# Altium PCB Controller.PcbDoc
Units mil, origin at the board's own origin, x right, y up, seen from the top; angles counter-clockwise.
Board outline 6000 x 4000 mil, 2 copper layers (Top Layer, Bottom Layer); 99 components, 127 nets, 564 pads, 2 vias.
Unrouted connection lines stored in the file: 295.
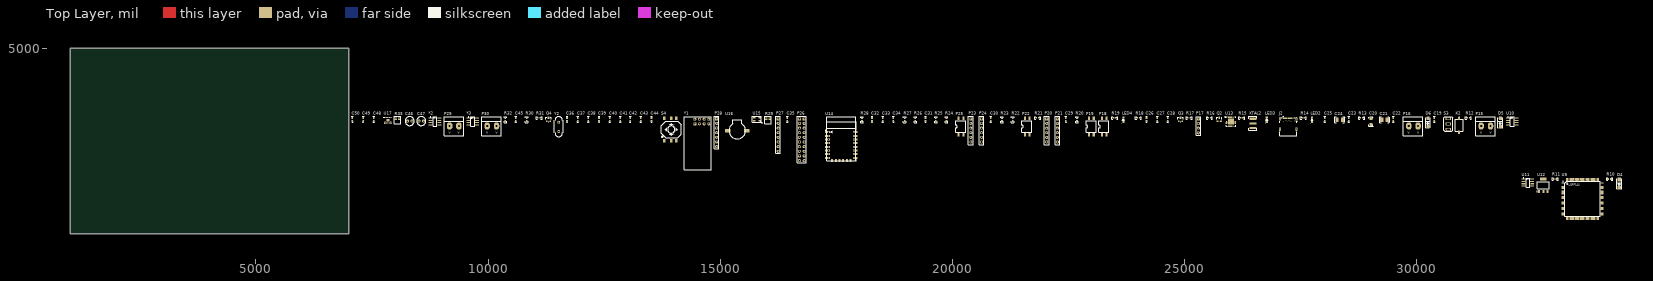
[diagram p0: Top Layer view]
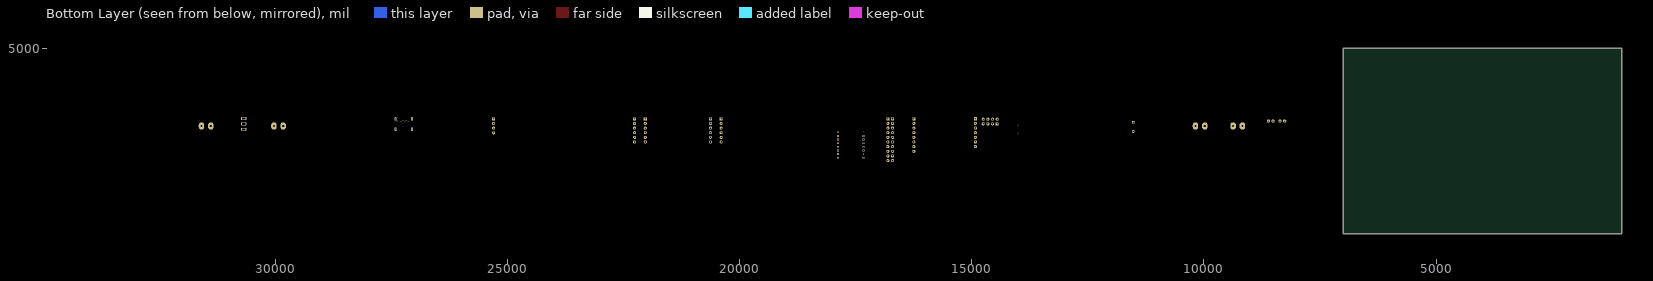
[diagram p1: Bottom Layer view, seen from below]

## Layer stack, top to bottom
Top Solder: solder mask 0.4, Solder Resist, Dk 3.5
Top Layer: signal copper 1.4
Dielectric 1: dielectric 12.6, FR-4, Dk 4.8
Bottom Layer: signal copper 1.4
Bottom Solder: solder mask 0.4, Solder Resist, Dk 3.5

## Board outline
1000,1000 7000,1000 7000,5000 1000,5000

## Design rules (kind name [scope] priority, off if disabled: settings)
Clearance [All] p1: gap=10
PolygonConnect [All] p1: connectstyle=Relief reliefconductorwidth=10 reliefentries=4 polygonreliefangle="90 Angle" airgapwidth=10
RoomDefinition STM32_Controller_V2.0_ZET6 [InComponentClass('STM32_Controller_V2.0_ZET6')] p1: confinementstyle=ConfineIn formatcopy=TRUE lockcomponents=FALSE outline 7045,1285 34430,1285 34430,3640 7045,3640
RoutingVias [All] p1: holewidth=28 width=50 viastyle="Through Hole" minholewidth=28 minwidth=50 maxholewidth=28 maxwidth=50
SolderMaskExpansion [All] p1: expansion=4
Width [All] p1: maxlimit=10 minlimit=10 preferedwidth=10
30 further rules are at their usual default settings.

## Components (designator, comment, footprint, x,y, rotation, side; value= is the part's Value field where it differs from the comment)
*1 "NRF24L10" NRF24L10 14600,3415 r90 top
*2 "YX-2530AM" SOP-8 8760,3495 r0 top
*3 "YX-2530AM" SOP-8 9575,3495 r0 top
C19 "10uF" 0603C 30090,3535 r90 top
C20 "10uF" TAJ-A 29010,3480 r90 top
C21 "10uF" TAJ-B 29245,3460 r0 top
C22 "104" 0603C 29210,3535 r90 top
C23 "104" 0603C 28250,3535 r90 top
C24 "10uF" TAJ-B 28280,3460 r0 top
C25 "104" 0603C 27735,3535 r90 top
C26 "226" 0603C 23895,3535 r90 top
C27 "104" 0603C 24125,3535 r90 top
C28 "104" 0603C 24355,3535 r90 top
C29 "104" 0603C 22160,3535 r90 top
C30 "104" 0603C 20540,3535 r90 top
C31 "104" 0603C 19135,3535 r90 top
C32 "104" 0603C 17985,3535 r90 top
C33 "106" 0603C 18215,3535 r90 top
C34 "104" 0603C 18445,3535 r90 top
C35 "10uF" 0603C 16160,3535 r90 top
C36 "104" 0603C 11415,3535 r90 top
C37 "104" 0603C 11645,3535 r90 top
C38 "104" 0603C 11875,3535 r90 top
C39 "104" 0603C 12105,3535 r90 top
C40 "104" 0603C 12335,3535 r90 top
C41 "104" 0603C 12565,3535 r90 top
C42 "104" 0603C 12775,3535 r90 top
C43 "104" 0603C 13005,3535 r90 top
C44 "104" 0603C 13235,3535 r90 top
C45 "10uF" 0603C 10310,3535 r90 top
C46 "10uf" RAD-0.1 8260,3430 r0 top
C47 "10uf" RAD-0.1 8510,3430 r0 top
C48 "103" 0603C 7255,3535 r90 top
C49 "104" 0603C 7025,3535 r90 top
C50 "104" 0603C 6795,3535 r90 top
D4 "D" SMA/DO-214AC 34360,2000 r90 top
D5 "D" SMA/DO-214AC 31800,3315 r90 top
D6 "D" SMA/DO-214AC 30240,3315 r90 top
J2 "Type_C-24P-UJ31-CH-G2-SMT-TR" Type_C-UJ31-CH-G2-SMT-TR(Primary) 27120,3490 r0 top
K2 "Key" 贴片按键 30910,3195 r90 top
LED2 "LED" 0805LED(RED) 27735,3410 r90 top
LED3 "LED" 0805LED(RED) 26760,3410 r90 top
LED4 "LED" 0805LED(RED) 23675,3410 r90 top
P15 "2PIN" KF128-2P 31380,3325 r0 top
P16 "2PIN" KF128-2P 29820,3325 r0 top
P17 "Header 4" "Header 4" 25295,3480 r0 top
P18 "拨码开关2" 拨码开关2-SOP 23215,3140 r90 top
P19 "拨码开关2" 拨码开关2-SOP 22940,3140 r90 top
P20 "Header 6" "Header 6" 22030,3480 r0 top
P21 "Header 6" "Header 6" 22260,3480 r0 top
P22 "拨码开关2" 拨码开关2-SOP 21555,3140 r90 top
P23 "Header 6" "Header 6" 20395,3480 r0 top
P24 "Header 6" "Header 6" 20625,3480 r0 top
P25 "拨码开关2" 拨码开关2-SOP 20130,3140 r90 top
P26 "OV7725" "Header 10X2" 16705,3480 r0 top
P27 "Header 8" "Header 8" 16245,3180 r0 top
P28 "Header 7" "Header 7" 14920,3180 r0 top
P29 "2PIN" KF128-2P 9165,3325 r0 top
P30 "2PIN" KF128-2P 9975,3325 r0 top
Q2 "NPN" SOT-23 25710,3430 r0 top
Q3 "NPN" SOT-23 24875,3430 r0 top
Q4 "NPN" SOT-23 11265,3430 r0 top
R10 "0r" 0603R 34120,2185 r0 top
R11 "1K" 0603R 32950,2185 r0 top
R12 "0r" 0603R 31080,3500 r0 top
R13 "0r" 0603R 28780,3500 r0 top
R14 "1K" 0603R 27525,3500 r0 top
R15 "1K" 0603R 26200,3500 r0 top
R16 "12K" 0603R 25505,3500 r0 top
R17 "1K" 0603R 25065,3500 r0 top
R18 "12K" 0603R 23975,3500 r0 top
R19 "1K" 0603R 23465,3500 r0 top
R20 "1K" 0603R 22680,3435 r90 top
R21 "10K" 0603R 21805,3500 r0 top
R22 "10K" 0603R 21295,3435 r90 top
R23 "10K" 0603R 21065,3435 r90 top
R24 "10K" 0603R 19870,3435 r90 top
R25 "1K" 0603R 19640,3435 r90 top
R26 "10r" 0603R 19200,3435 r90 top
R27 "10K" 0603R 18970,3435 r90 top
R28 "0r" 0603R 18050,3435 r90 top
R29 "1k" 排阻(4位贴片) 15990,3500 r0 top
R30 "1M" 0603R 10830,3435 r90 top
R31 "100K" 0603R 11070,3500 r0 top
R32 "1K" 0603R 10370,3435 r90 top
R33 "Res-4" 排阻(4位贴片) 8010,3500 r0 top
S3 "钮子开关" 钮子开关(小) 30675,3250 r90 top
S4 "按键" 5轴按键 13945,3250 r90 top
U9 "STM32F407ZET6" LQFP-144 33230,2095 r0 top
U10 "TPS7350" SOP-8 31960,3495 r0 top
U11 "TPS7333" SOP-8 32295,2180 r0 top
U12 "AMS1117_3.3" SOT-223 32635,1915 r0 top
U13 "CP2102" QFN-28 25920,3495 r0 top
U14 "ESP-12" SMD-22 17625,3030 r0 top
U15 "RGB" RGB-3528 15730,3500 r0 top
U16 "Buzzer" MLT-9032 15365,3225 r0 top
U17 "MPU9250" QFN-24 7845,3450 r0 top
XTAL2 "8M" 三脚贴片8M晶振 26465,3480 r0 top
Y2 "XTAL" HC-49S 11520,3205 r90 top

## Footprints (in the part's own frame and the unit in brackets; to place one, negate y for a bottom-side part, rotate by r counter-clockwise, add the part's x,y. Pads: shape width x height; smd on the part's side, far side on the other; paste and mask are expansions set on the pad)
5轴按键 [mm]
  rect 2x1.3 smd: 1(-6.128,3.778) 2(-6.128,0.078) 3(-6.128,-2.722) 4(6.072,3.778) 5(6.072,0.078) 6(6.072,-2.722)
  silkscreen extent -4.53,-5.42 4.47,5.58
0603C [mil]
  rect 40x35 smd: 1(-97,-282) 2(-37,-282)
  silkscreen extent -126,-302 -6,-262, body extent -117,-299 -14,-260, height 35
0603R [mil]
  rect 40x35 smd: 1(-2,-1) 2(58,-1)
  silkscreen extent -35,-30 92,28, body extent -5,-17 61,15, height 22
0805LED(RED) [mil]
  rect 40x50 smd: 1(-2.98,-4.95) 2(97.02,-4.95)
  silkscreen extent -37,-25 70,31, body extent 13,-25 80,11, height 35
HC-49S [mil]
  round 62 hole 28: 1(0,0) 2(200,0)
  silkscreen extent -110,-100 320,100, body extent -114,-102 326,82, height 143
"Header 4" [mil]
  rect 65x65 hole 34: 1(0.95,-0.93)
  round 65 hole 34: 2(0.95,-100.93) 3(0.95,-200.93) 4(0.95,-300.93)
  silkscreen extent -49,-351 51,49, body extent -51,-354 49,46, height 336
"Header 6" [mil]
  rect 65x65 hole 34: 1(-1.02,0.06)
  round 65 hole 34: 2(-1.02,-99.94) 3(-1.02,-199.94) 4(-1.02,-299.94) 5(-1.02,-399.75) 6(-1.02,-499.75)
  silkscreen extent -51,-555 49,50, body extent -50,-554 50,46, height 336
"Header 7" [mil]
  rect 65x65 hole 34: 1(0,301)
  round 65 hole 34: 2(0,201) 3(0,101) 4(0,1) 5(0,-98.8) 6(0,-198.8)
  round 65 hole 34 paste+0: 7(0,-298.61)
  silkscreen extent -50,-347 50,351, body extent -50,-349 50,351, height 336
"Header 8" [mil]
  rect 65x65 hole 34: 1(0,300)
  round 65 hole 34: 2(0,200) 3(0,100) 4(0,0) 5(0,-99.8) 6(0,-199.8) 8(0,-399.61)
  round 65 hole 34 paste+0: 7(0,-299.61)
  silkscreen extent -50,-445 50,350, body extent -49,-451 51,349, height 336
"Header 10X2" [mil]
  rect 65x65 hole 34: 1(-0.98,-0.2) 20(99.41,-0.2)
  round 65 hole 34: 2(-0.98,-100.2) 3(-0.98,-200.2) 4(-0.98,-300.2) 5(-0.98,-400) 6(-0.98,-500) 8(-0.98,-699.8) 10(-0.98,-900.2) 11(99.41,-900.2) 13(99.41,-699.8) 15(99.41,-500) 16(99.41,-400) 17(99.41,-300.2) 18(99.41,-200.2) 19(99.41,-100.2)
  round 65 hole 34 paste+0: 7(-0.98,-599.8) 9(-0.98,-800.2) 12(99.41,-800.2) 14(99.41,-599.8)
  silkscreen extent -51,-952 149,50, body extent -13,-948 493,52, height 201
KF128-2P [mm]
  oval 3x4 hole 1.2: 1(0.134,0.024) 2(5.214,0.024)
  silkscreen extent -2.91,-5.28 7.75,5.1, body extent -2.91,-5.35 7.75,5.15, height 14.15
LQFP-144 [mm]
  rect 1.651x0.3 smd: 1(-2.199,0.11)
  oval 1.651x0.3 smd: 2(-2.199,-0.39) 3(-2.199,-0.89) 4(-2.199,-1.39) 5(-2.199,-1.89) 6(-2.199,-2.39) 7(-2.199,-2.89) 8(-2.199,-3.39) 9(-2.199,-3.89) 10(-2.199,-4.39) 11(-2.199,-4.89) 12(-2.199,-5.39) 13(-2.199,-5.89) 14(-2.199,-6.39) 15(-2.199,-6.89) 16(-2.199,-7.39) 17(-2.199,-7.89) 18(-2.199,-8.39) 19(-2.199,-8.89) 20(-2.199,-9.39) 21(-2.199,-9.89) 22(-2.199,-10.39) 23(-2.199,-10.89) 24(-2.199,-11.39) 25(-2.199,-11.89) 26(-2.199,-12.39) 27(-2.199,-12.89) 28(-2.199,-13.39) 29(-2.199,-13.89) 30(-2.199,-14.39) 31(-2.199,-14.89) 32(-2.199,-15.39) 33(-2.199,-15.89) 34(-2.199,-16.39) 35(-2.199,-16.89) 36(-2.199,-17.39) 73(19.251,-17.39) 74(19.251,-16.89) 75(19.251,-16.39) 76(19.251,-15.89) 77(19.251,-15.39) 78(19.251,-14.89) 79(19.251,-14.39) 80(19.251,-13.89) 81(19.251,-13.39) 82(19.251,-12.89) 83(19.251,-12.39) 84(19.251,-11.89) 85(19.251,-11.39) 86(19.251,-10.89) 87(19.251,-10.39) 88(19.251,-9.89) 89(19.251,-9.39) 90(19.251,-8.89) 91(19.251,-8.39) 92(19.251,-7.89) 93(19.251,-7.39) 94(19.251,-6.89) 95(19.251,-6.39) 96(19.251,-5.89) 97(19.251,-5.39) 98(19.251,-4.89) 99(19.251,-4.39) 100(19.251,-3.89) 101(19.251,-3.39) 102(19.251,-2.89) 103(19.251,-2.39) 104(19.251,-1.89) 105(19.251,-1.39) 106(19.251,-0.89) 107(19.251,-0.39) 108(19.251,0.11)
  oval 0.3x1.651 smd: 37(-0.224,-19.365) 38(0.276,-19.365) 39(0.776,-19.365) 40(1.276,-19.365) 41(1.776,-19.365) 42(2.276,-19.365) 43(2.776,-19.365) 44(3.276,-19.365) 45(3.776,-19.365) 46(4.276,-19.365) 47(4.776,-19.365) 48(5.276,-19.365) 49(5.776,-19.365) 50(6.276,-19.365) 51(6.776,-19.365) 52(7.276,-19.365) 53(7.776,-19.365) 54(8.276,-19.365) 55(8.776,-19.365) 56(9.276,-19.365) 57(9.776,-19.365) 58(10.276,-19.365) 59(10.776,-19.365) 60(11.276,-19.365) 61(11.776,-19.365) 62(12.276,-19.365) 63(12.776,-19.365) 64(13.276,-19.365) 65(13.776,-19.365) 66(14.276,-19.365) 67(14.776,-19.365) 68(15.276,-19.365) 69(15.776,-19.365) 70(16.276,-19.365) 71(16.776,-19.365) 72(17.276,-19.365) 109(17.276,2.085) 110(16.776,2.085) 111(16.276,2.085) 112(15.776,2.085) 113(15.276,2.085) 114(14.776,2.085) 115(14.276,2.085) 116(13.776,2.085) 117(13.276,2.085) 118(12.776,2.085) 119(12.276,2.085) 120(11.776,2.085) 121(11.276,2.085) 122(10.776,2.085) 123(10.276,2.085) 124(9.776,2.085) 125(9.276,2.085) 126(8.776,2.085) 127(8.276,2.085) 128(7.776,2.085) 129(7.276,2.085) 130(6.776,2.085) 131(6.276,2.085) 132(5.776,2.085) 133(5.276,2.085) 134(4.776,2.085) 135(4.276,2.085) 136(3.776,2.085) 137(3.276,2.085) 138(2.776,2.085) 139(2.276,2.085) 140(1.776,2.085) 141(1.276,2.085) 142(0.776,2.085) 143(0.276,2.085) 144(-0.224,2.085)
  silkscreen extent -2.32,-18.24 18.13,0.96, body extent -2.47,-19.64 19.53,2.36, height 1.6
MLT-9032 [mm]
  rect 2.8x2 smd: 1(-5.2,0) 2(5.2,0)
  silkscreen extent -4.5,-4.5 4.5,6, body extent -6.83,-5.94 6.86,7.75, height 7.59
NRF24L10 [mil]
  rect 65x65 hole 34: 1(-44,149)
  round 65 hole 34: 2(-44,49) 3(-44,-51) 4(-44,-151) 5(56,-151) 6(56,-51) 7(56,49) 8(56,149)
  silkscreen extent -1028,-209 114,382, body extent -1028,-209 114,382, height 138
QFN-24 [mm]
  oval 0.7x0.2 smd: 1(-1.525,0.975) 2(-1.525,0.575) 3(-1.525,0.175) 4(-1.525,-0.225) 5(-1.525,-0.625) 6(-1.525,-1.025) 13(1.475,-1.025) 14(1.475,-0.625) 15(1.475,-0.225) 16(1.475,0.175) 17(1.475,0.575) 18(1.475,0.975)
  oval 0.2x0.7 smd: 7(-1.025,-1.525) 8(-0.625,-1.525) 9(-0.225,-1.525) 10(0.175,-1.525) 11(0.575,-1.525) 12(0.975,-1.525) 19(0.975,1.475) 20(0.575,1.475) 21(0.175,1.475) 22(-0.225,1.475) 23(-0.625,1.475) 24(-1.025,1.475)
  rect 1.7x1.54 smd: 25(-0.025,-0.025)
  silkscreen extent -2.5,-1.73 1.67,1.67, body extent -1.6,-1.6 1.54,1.54, height 1
QFN-28 [mm] "CP2102  USB转串口芯片"
  rect 3.13x3.13 smd mask+0.051: 0(1.909,-1.918)
  oval 0.85x0.28 smd mask+0.051: 1(-0.516,-0.418) 2(-0.516,-0.918) 3(-0.516,-1.418) 4(-0.516,-1.918) 5(-0.516,-2.418) 6(-0.516,-2.918) 7(-0.516,-3.418) 15(4.334,-3.418) 16(4.334,-2.918) 17(4.334,-2.418) 18(4.334,-1.918) 19(4.334,-1.418) 20(4.334,-0.918) 21(4.334,-0.418)
  oval 0.28x0.85 smd mask+0.051: 8(0.409,-4.343) 9(0.909,-4.343) 10(1.409,-4.343) 11(1.909,-4.343) 12(2.409,-4.343) 13(2.909,-4.343) 14(3.409,-4.343) 22(3.409,0.507) 23(2.909,0.507) 24(2.409,0.507) 25(1.909,0.507) 26(1.409,0.507) 27(0.909,0.507) 28(0.409,0.507)
  silkscreen extent -1.39,-4.57 4.56,0.73, body extent -0.58,-4.42 4.42,0.58, height 1
RAD-0.1 [mil]
  round 70 hole 30: 1(0,0) 2(100,0)
  silkscreen extent -47,-97 147,97
RGB-3528 [mm]
  rect 1.2x1 smd: 1(-0.029,0.03) 2(-0.029,-1.57) 3(2.971,0.03) 4(2.971,-1.57)
  silkscreen extent -1.01,-2.87 4.42,0.76, body extent -0.32,-2.2 3.18,0.6, height 1.9
SMA/DO-214AC [mm]
  rect 2x1.75 smd: 1(-0.178,0.025) 2(4.422,0.025)
  silkscreen extent -0.58,-1.32 4.82,1.38, body extent -0.38,-1.32 4.73,1.35, height 2.12
SMD-22 [mm]
  rect 2.6x1.1 smd: 1(-8.103,4.089) 2(-8.103,2.089) 3(-8.103,0.089) 4(-8.103,-1.911) 5(-8.103,-3.911) 6(-8.103,-5.911) 7(-8.103,-7.911) 8(-8.103,-9.911) 15(7.097,-9.911) 16(7.097,-7.911) 17(7.097,-5.911) 18(7.097,-3.911) 19(7.097,-1.911) 20(7.097,0.089) 21(7.097,2.089) 22(7.097,4.089)
  rect 0.762x1 hole 0.6: 1(-7.503,4.089) 7(-7.503,-7.911)
  rect 0.762x1 / inner rect 0.762x1 / far side rect 1x1 hole 0.6: 2(-7.503,2.089) 3(-7.503,0.089) 4(-7.503,-1.911) 5(-7.503,-3.911) 6(-7.503,-5.911) 8(-7.503,-9.911) 15(6.497,-9.911) 16(6.497,-7.911) 17(6.497,-5.911) 18(6.497,-3.911) 19(6.497,-1.911) 20(6.497,0.089) 21(6.497,2.089) 22(6.497,4.089)
  rect 1.1x1.8 smd: 9(-5.503,-11.411) 10(-3.503,-11.411) 11(-1.503,-11.411) 12(0.497,-11.411) 13(2.497,-11.411) 14(4.497,-11.411)
  silkscreen extent -9.21,-11.43 7.57,12.59, body extent -8.51,-11.35 7.49,12.65, height 2.75
SOP-8 [mm]
  oval 2.2x0.6 smd: 1(-0.038,0.025) 2(-0.038,-1.245) 3(-0.038,-2.515) 4(-0.038,-3.785) 5(4.762,-3.785) 6(4.762,-2.515) 7(4.762,-1.245) 8(4.762,0.025)
  silkscreen extent -0.12,-4.38 3.37,0.82, body extent -0.62,-4.33 5.38,0.58, height 1.7
SOT-23 [mil]
  rect 36x36 smd: 1(-2.52,-5.16) 2(72.48,-5.16)
  rect 36x50 smd: 3(35.48,74.84)
  silkscreen extent -23,-10 92,80, body extent -22,-18 92,92, height 47
SOT-223 [mm]
  rect 1.1x1.55 smd: 1(-0.09,0.029) 2(2.21,0.029) 3(4.51,0.029)
  rect 3.45x1.55 smd: 4(2.21,6.779)
  silkscreen extent -1.29,-0.07 5.56,5.25, body extent -1.09,-0.53 5.51,6.83, height 0.8
TAJ-A [mil]
  rect 60x60 smd: 1(0,0) 2(-120,0)
  silkscreen extent -165,-45 49,45, body extent -125,-31 9,32, height 65
TAJ-B [mm]
  rect 1.8x2.5 smd: 1(3,0) 2(0,0)
  silkscreen extent -1.27,-1.68 4.34,1.65, body extent -0.27,-1.4 3.22,1.4, height 1.9
Type_C-UJ31-CH-G2-SMT-TR(Primary) [mm]
  rect 0.35x0.7 smd: A1(0,0) A2(0.5,0) A3(1,0) A4(1.5,0) A5(2,0) A6(2.5,0) A7(3,0) A8(3.5,0) A9(4,0) A10(4.5,0) A11(5,0) A12(5.5,0)
  round 0.65 hole 0.4: B1(5.8,-1.11) B2(5.15,-1.81) B3(4.35,-1.81) B4(3.95,-1.11) B5(3.55,-1.81) B6(3.15,-1.11) B7(2.35,-1.11) B8(1.95,-1.81) B9(1.55,-1.11) B10(1.15,-1.81) B11(0.35,-1.81) B12(-0.3,-1.11)
  round 0.65 hole 0.65 unplated: None(-0.975,-1.81) None(6.475,-1.81)
  oval 1x2 hole 0.5: SH1(-1.75,-0.31) SH2(7.25,-0.31) SH3(-1.75,-5.91) SH4(7.25,-5.91)
  silkscreen extent -2.07,-9.56 7.57,1.04, body extent -2.06,-9.61 7.65,0.39, height 4.5
三脚贴片8M晶振 [mm] "CSTCC8M00G53-RO"
  rect 3.8x1.27 smd: 1(0.06,-0.006) 2(0.06,-5.086) 3(0.06,-2.546)
  silkscreen extent -2.1,-6.18 2.24,1.26, body extent -1.72,-6.23 1.84,1.26, height 1.5
拨码开关2-SOP [mm]
  rect 2x1.1 smd: 1(-0.153,-0.029) 2(-0.153,-2.569) 3(8.847,-2.569) 4(8.847,-0.029)
  silkscreen extent 1.19,-3.93 7.54,1.55, body extent 0.51,-3.76 8.13,1.32, height 4.3
排阻(4位贴片) [mm]
  rect 1.22x0.45 smd: 1(-0.051,0.013) 2(1.869,0.013) 3(-0.051,-0.787) 4(1.869,-0.787) 5(-0.051,-1.587) 6(1.869,-1.587) 7(-0.051,-2.387) 8(1.869,-2.387)
  silkscreen extent -0.81,-3.14 2.64,0.76, body extent 0.1,-2.79 1.7,0.41, height 0.59
贴片按键 [mil]
  oval 80x40 smd: 1(-5.71,2.8) 2(294.29,2.8)
  silkscreen extent 14,-76 274,82, body extent 24,-69 264,77, height 98
钮子开关(小) [mm]
  rrect50% 1.5x3 hole 1 slot 1.8 at 90 deg: 1(0,0) 2(3,0) 3(6,0)
  silkscreen extent -1.06,-2.5 7.06,2.5

## Part data
*1: "NRF24L10模块"
C19 C22 C23 C25 C26 C27 C28 C29 C30 C31 C32 C33 C34 C35 C36 C37 C38 C39 C40 C41 C42 C43 C44 C45 C48 C49 C50: library part Cap1, "无极贴片电容"
C20 C21 C24: library part "Pol Cap", "极性贴片电容"
C46 C47: library part Cap2, "无极直插电容"
D4 D5 D6: library part Diode, "二极管"
J2: "UJ31 Series Single Port 24 Contact Horizontal SMT Shielded USB-C 3.1 Receptacle"
K2: library part 轻触按键, "轻触开关"
LED2 LED3 LED4: "发光二极管"
P15 P16 P29 P30: library part 接线端子-2PIN
P17 P20 P21 P23 P24 P27 P28: "排针"
P18 P19 P22 P25: "2位拨码开关"
P26: library part "Header 10X2"
Q2 Q3 Q4: "NPN三极管"
R10 R11 R12 R13 R14 R15 R16 R17 R18 R19 R20 R21 R22 R23 R24 R25 R26 R27 R28 R30 R31 R32: library part Res, "电阻"
R29: library part Res-4, "排阻"
R33: "排阻"
S3: "大功率开关"
S4: library part 5轴按键, "5轴按键"
U9: "STM32单片机144引脚"
U10: "5V电源芯片"
U11: "3.3V电源芯片"
U12: library part AMS1117-3.3V/5.0V, "电源芯片"
U13: "USB转串口芯片"
U16: "蜂鸣器"
XTAL2: library part XTAL三脚贴片晶振
Y2: "两脚直插晶振"

## Via types
v1: diameter 35.43, hole 35.43, Top Layer to Bottom Layer, 2 vias

## Nets (pads, with @x,y where several pads share a name; then routed paths per layer and width w, separated by ;. In a path a pad name is that pad's centre, name@x,y a point inside that pad or via, vN(x,y) a via of type N, cw(c..) or ccw(c..) an arc to the next point about the centre after c; other vN are vias at no path point)
3.3V: *1.4 C21.1 C22.2 C29.2 C36.2 C37.2 C38.2 C39.2 C40.2 C41.2 C42.2 C43.2 C44.2 C48.2 C49.2 P17.4 P22.4 P26.1 P27.1 P28.2 R11.2 R14.1 R15.1 R24.2 R26.2 R28.2 R33.2 R33.4 U9.17 U9.30 U9.39 U9.52 U9.62 U9.72 U9.84 U9.95 U9.108 U9.121 U9.131 U9.144 U11.5 U11.6 U11.7 U12.2 U12.4 U15.2 U16.1 U17.1 U17.8 U17.13 U17.22
5V: *2.4 *3.4 C24.1 C25.2 C26.2 C27.2 C46.1 C47.1 P20.2 P21.1 P23.2 P24.1 R19.1 R30.1 U10.5 U10.6 U10.7 U11.3 U11.4 U12.3 U13.7 U13.8
AD0: R33.7 U17.9
ADC3_IN8: R30.2 R31.1 U9.22
BEEP: R29.7 U9.57
BOOT0: P25.2 Q3.3 R25.1 U9.138
BOOT1: P19.2 R20.1 U9.48
CP_RX: P18.4 U13.25
CP_TX: P18.3 U13.26
DCMI_D0: P26.13 U9.96
DCMI_D1: P26.8 U9.97
DCMI_D2: P26.14 U9.141
DCMI_D3: P26.7 U9.142
DCMI_D4: P26.15 U9.3
DCMI_D5: P26.6 U9.136
DCMI_D6: P26.16 U9.4
DCMI_D7: P26.5 U9.5
DCMI_HREF: P26.18 U9.40
DCMI_PCLK: P26.4 U9.42
DCMI_PWDN: P26.12 U9.98
DCMI_RESET: P26.9 U9.1
DCMI_VSYNC: P26.3 U9.137
DCMI_XCLK: P26.17 U9.2
DTR: Q3.2 R16.2 U13.28
FSYNC: R33.5 U17.11
GND: *1.5 *2.3 *3.3 C19.2 C20.2 C21.2 C22.1 C23.1 C24.2 C25.1 C26.1 C27.1 C28.1 C30.2 C31.2 C32.2 C33.2 C34.1 C35.2 C36.1 C37.1 C38.1 C39.1 C40.1 C41.1 C42.1 C43.1 C44.1 C45.2 C46.2 C47.2 C48.1 C49.1 C50.1 K2.2 LED4.2 P17.1 P19.3 P20.3 P21.4 P21.6 P22.3 P23.3 P24.4 P24.6 P25.3 P26.20 P27.2 P27.7 P27.8 P28.1 P28.7 Q4.2 R27.2 R31.2 R32.1 R33.6 R33.8 S4.6 U9.16 U9.31 U9.38 U9.51 U9.61 U9.83 U9.94 U9.107 U9.120 U9.130 U10.1 U10.2 U11.1 U11.2 U12.1 U13.0 U13.3 U14.15 U17.18 U17.20 XTAL2.3
IIC_SCL: R33.3 U9.139 U17.23
IIC_SDA: R33.1 U9.140 U17.24
IMU_SCL: P27.3
IMU_SDA: P27.4
KEY0: S4.1 U9.87
KEY1: S4.2 U9.88
KEY2: S4.3 U9.89
KEY3: S4.4 U9.90
KEY4: S4.5 U9.91
LED_B: R29.5 U9.53
LED_G: R29.3 U9.54
LED_R: R29.1 U9.55
Net*2_5: *2.5 *2.6 P29.1
Net*2_7: *2.7 *2.8 P29.2
Net*3_5: *3.5 *3.6 P30.1
Net*3_7: *3.7 *3.8 P30.2
NetC20_1: C20.1 S3.3 U10.3
NetC23_2: C23.2 U10.4
NetC28_2: C28.2 R17.2 U13.6
NetC29_1: C29.1 U9.6
NetC30_1: C30.1 U9.71
NetC31_1: C31.1 U9.106
NetC32_1: C32.1 C33.1 R26.1 U9.32 U9.33
NetC34_2: C34.2 R21.1 R22.1 U14.8
NetC50_2: C50.2 U17.10
NetD4_1: D4.1 R10.2
NetD4_2: D4.2 D5.2 D6.2 S3.2
NetD5_1: D5.1 R12.2
NetD6_1: D6.1 R13.2
NetLED2_1: LED2.1 R14.2
NetLED3_1: LED3.1 R15.2
NetLED4_1: LED4.1 R17.1
NetP15_1: P15.1 R12.1
NetP16_1: P16.1 R13.1
NetP19_1: P19.1 R20.2
NetP22_1: P22.1 P22.2 R23.2
NetP25_1: P25.1 R25.2
NetQ2_1: Q2.1 R16.1
NetQ3_1: Q3.1 R18.1
NetQ4_1: Q4.1 R29.8 R32.2
NetQ4_3: Q4.3 U16.2
NetR19_2: R19.2 U13.9
NetR21_2: R21.2 U14.1
NetR22_2: R22.2 U14.3
NetR23_1: R23.1 U14.18
NetR24_1: R24.1 U14.17
NetR27_1: R27.1 U14.16
NetR28_1: R28.1 U9.143
NetR29_2: R29.2 U15.4
NetR29_4: R29.4 U15.3
NetR29_6: R29.6 U15.1
NRF_CE: *1.6 U9.114
NRF_CSN: *1.3 U9.7
NRF_IRQ: *1.1 U9.99
NRST: C19.1 K2.1 Q2.3 R11.1 U9.25
OLED_D0: P28.3
OLED_D1: P28.4
OLED_DC: P28.6
OLED_RES: P28.5
OSC32_IN: C45.1 Y2.1
OSC32_OUT: C35.1 U9.23 Y2.2
OSC_IN: U9.8 XTAL2.1
OSC_OUT: U9.9 XTAL2.2
POWER_GND: J2.A1 J2.A12 J2.B1 J2.B12 J2.SH1 J2.SH2 J2.SH3 J2.SH4 P15.2 P16.2
RTS: Q2.2 R18.2 U13.24
SIO_C: P26.2 U9.11
SIO_D: P26.19 U9.10
SPI2_MISO: U9.75
SPI2_MOSI: U9.76
SPI2_SCK: U9.74
SPI3_CLK: U9.111
SPI3_MISO: *1.8 U9.112
SPI3_MOSI: *1.2 U9.113
SPI3_SCK: *1.7
SWCLK: P17.2 U9.109
SWDIO: P17.3 U9.105
TIM1_BKIN: U9.68
TIM1_CH1: U9.60
TIM1_CH1N: U9.59
TIM1_CH2: U9.64
TIM1_CH2N: U9.63
TIM1_CH3: U9.66
TIM1_CH3N: U9.65
TIM1_CH4: U9.67
TIM4_CH1: *2.1 U9.81
TIM4_CH2: *2.2 U9.82
TIM4_CH3: *3.1 U9.85
TIM4_CH4: *3.2 U9.86
TYPE-C_DM: J2.A7 J2.B6 U13.4
TYPE-C_DP: J2.A6 J2.B7 U13.5
TYPE-C_VUSB: J2.A4 J2.B4 R10.1
U3_RX: LED3.2
U3_TX: LED2.2
USART1_RX: P20.4 P21.2 U9.102
USART1_TX: P20.5 P21.3 U9.101
USART2_RX: U9.122 U14.22
USART2_TX: U9.119
USART3_RX: P18.2 P23.4 P24.2 U9.78
USART3_TX: P18.1 P23.5 P24.3 U9.77
VCC: P19.4 P25.4
WKUP_KEY: U9.34
pads on no net: J2.A2 J2.A3 J2.A5 J2.A8 J2.A9 J2.A10 J2.A11 J2.B2 J2.B3 J2.B5 J2.B8 J2.B9 J2.B10 J2.B11 J2.None P20.1 P20.6 P21.5 P23.1 P23.6 P24.5 P26.10 P26.11 P27.5 P27.6 S3.1 U9.12 U9.13 U9.14 U9.15 U9.18 U9.19 U9.20 U9.21 U9.24 U9.26 U9.27 U9.28 U9.29 U9.35 U9.36 U9.37 U9.41 U9.43 U9.44 U9.45 U9.46 U9.47 U9.49 U9.50 U9.56 U9.58 U9.69 U9.70 U9.73 U9.79 U9.80 U9.92 U9.93 U9.100 U9.103 U9.104 U9.110 U9.115 U9.116 U9.117 U9.118 U9.123 U9.124 U9.125 U9.126 U9.127 U9.128 U9.129 U9.132 U9.133 U9.134 U9.135 U10.8 U11.8 U13.1 U13.2 U13.10 U13.11 U13.12 U13.13 U13.14 U13.15 U13.16 U13.17 U13.18 U13.19 U13.20 U13.21 U13.22 U13.23 U13.27 U14.2 U14.4 U14.5 U14.6 U14.7 U14.9 U14.10 U14.11 U14.12 U14.13 U14.14 U14.19 U14.20 U14.21 U17.2 U17.3 U17.4 U17.5 U17.6 U17.7 U17.12 U17.14 U17.15 U17.16 U17.17 U17.19 U17.21 U17.25
copper on no net:
  other v1: 14010.81,3162.29 14010.81,3335.51

## Text inside footprints (layer, text, board x,y; h text height)
P15: Top Overlay "V" at 31565.28,3157.87 h50; Top Overlay "V" at 31366.34,3157.87 h50
P16: Top Overlay "V" at 30005.28,3157.87 h50; Top Overlay "V" at 29806.34,3157.87 h50
P29: Top Overlay "V" at 9350.28,3157.87 h50; Top Overlay "V" at 9151.34,3157.87 h50
P30: Top Overlay "V" at 10160.28,3157.87 h50; Top Overlay "V" at 9961.34,3157.87 h50
U9: Top Overlay "LQFP144" at 33274.29,2014.29 h60